# KiCad board panel9.kicad_pcb (continued)
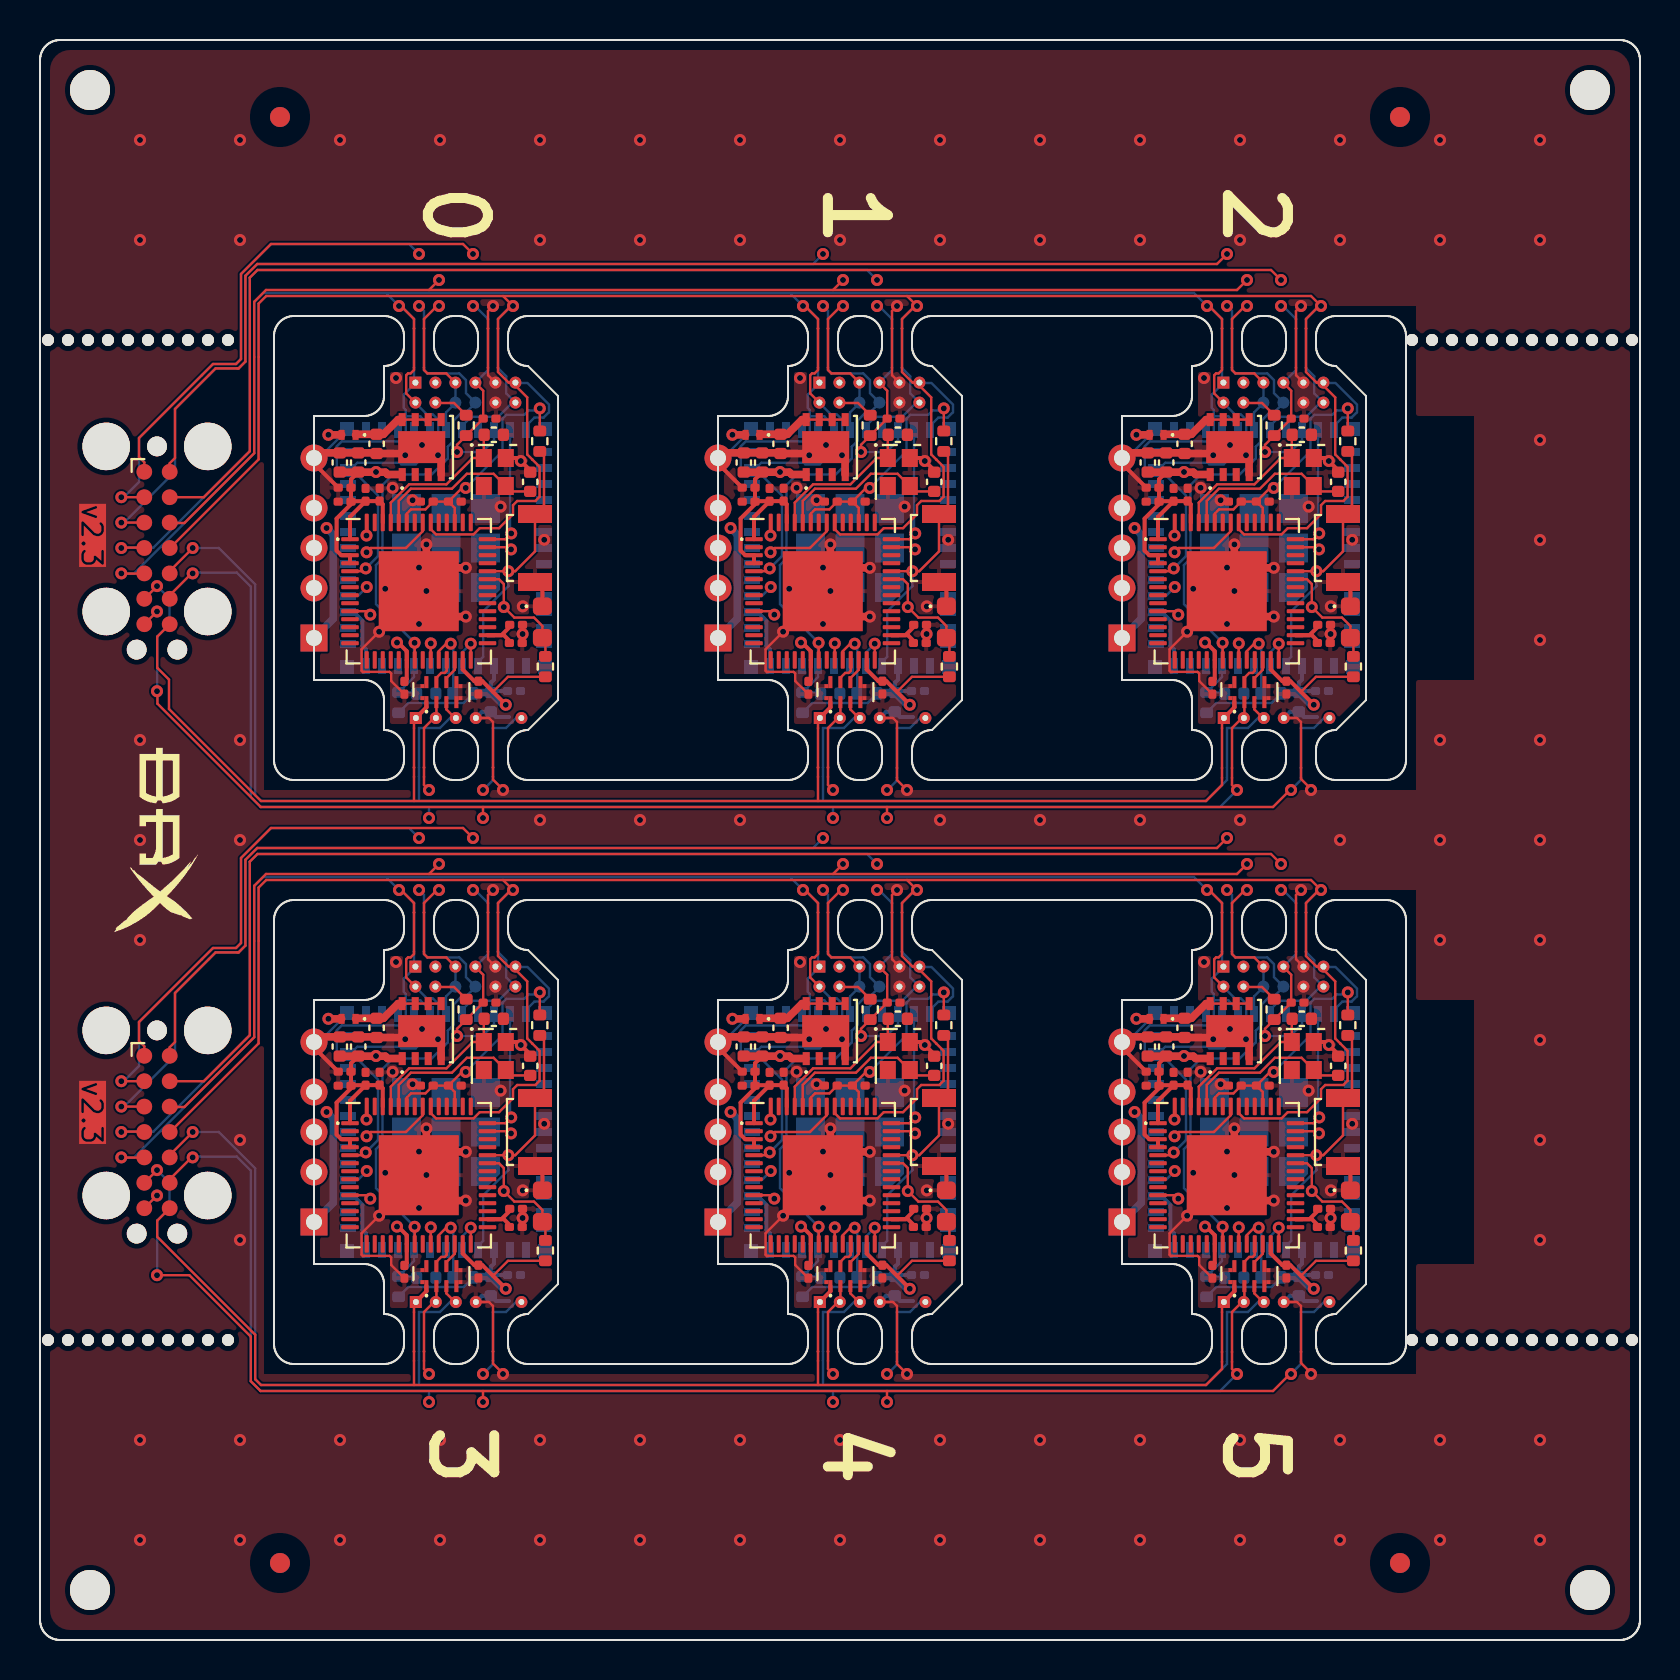
[diagram p0: board, top side]
## Routing (per net, layer and track width the routed paths; a pad name or vN(x,y) marks a point on that pad's centre or on a via; arc(x,y) is an arc through that point) (continued)
Board_1-/PICO_IO0: length 24.1
  Top w0.12: NT2#4.1 38.9,63.5 38.73,63.33 38.6,63.33 38.51,63.24 38.51,62.33 J2#2.2 38.99,61.85 39.02,61.85 39.04,61.83 ; v1(36.71,51.27) 36.54,51.44 U2.10
  In2.Cu w0.12: J2#2.2 38.97,61.85 35.27,58.15 35.27,52.12 36.12,51.27 v1(36.71,51.27)
  Bottom w0.12: J2#2.2 38.97,61.85 39.54,61.28 39.84,61.28 40.11,61.01 40.11,59.91 38.98,58.78 38.27,58.78 38.19,58.86 36.06,58.86 35.8,58.6 U3#6.23
Board_1-/PICO_TXD: length 15.8
  Top w0.12: 44,61.93 43.97,61.9 J2#2.12 ; U2.41 43.64,54.64 v1(43.75,54.53)
  In2.Cu w0.12: J2#2.12 43.97,61.85 45.74,60.08 45.74,56.18 44.83,55.27 44.49,55.27 v1(43.75,54.53)
  Bottom w0.12: NT7#5.1 43.51,63.19 43.51,62.33 J2#2.12 43.95,61.85 43.8,61.85 43.11,61.16 41.76,61.16 41.3,60.7 U3#6.31
Board_1-/RXD: length 21.6
  Top w0.12: v1(36.53,54.39) 36.74,54.6 38.5,54.6 39.34,55.44 U2.49 ; NT3#6.1 39.4,63.5 39.57,63.33 40.51,63.33 J2#2.5
  In2.Cu w0.12: J2#2.5 40.97,60.37 42.17,59.17 42.17,56.53 39.93,54.29 36.62,54.29 v1(36.53,54.39)
  Bottom w0.12: J2#2.5 J2#2.6 40.97,61.85 40.5,61.38 U3#6.30
Board_1-/S2_EN: length 17.1
  Top w0.12: U2.56 36.54,55.24 v1(36.52,55.22) ; v1(41.05,59.4) 41.05,59.76 R4#6.1 C15#4.1 42.36,62.46 41.97,62.85 J2#2.7
  In2.Cu w0.12: v1(36.52,55.22) 39.1,55.22 41.02,57.14 41.68,57.14 41.95,57.41 41.95,58.5 v1(41.05,59.4)
  Bottom w0.12: J2#2.7 42.6,63.5 NT4#5.1 ; U3#6.33 42.9,59.99 42.31,59.4 v1(41.05,59.4)
Board_1-/S2_IO0: length 17.8
  Top w0.12: J2#2.1 38.97,62.8 ; U2.5 36.35,53.44 v1(36.49,53.58)
  Bottom w0.12: 38.49,61.19 39.21,61.19 39.7,60.7 U3#6.29 ; 38.49,61.19 38.49,61.5 38.38,61.61 38.38,62.27 38.97,62.85 J2#2.1 38.9,62.94 NT1.1 ; 38.49,61.19 38.49,60.05 38.37,59.93 35.29,59.93 35.04,59.68 35.04,58.32 35.15,58.21 36.11,58.21 37.1,57.22 37.1,54.19 v1(36.49,53.58)
Board_1-/S2_TXD: length 18.6
  Top w0.12: U2.48 39.74,55.54 40,55.28 41.88,55.28 42.19,55.59 43.15,55.59 43.85,56.29 43.85,56.74 44.06,56.95 44.97,56.95 45.18,57.16 45.18,58.66 44.82,59.02 44.82,59.02 44.56,59.28 44.56,62.13 43.97,62.72 J2#2.11 43.63,62.87 43.1,63.4 NT6#5.1
  Bottom w0.12: J2#2.11 43.99,62.85 44.57,62.85 45.65,61.77 45.65,61.39 45.38,61.12 44.92,61.12 44.5,60.7 U3#6.35
Board_1-/USB_D+: length 1.3
  Top w0.12: U4#3.6 40.52,48.09 40.94,48.51 U2.26
Board_1-/USB_D-: length 1.4
  Top w0.12: U2.25 40.54,48.46 40.43,48.35 40.26,48.35 40.02,48.11 U4#3.7
Board_1-GND: length 42.2
  Top w0.12: J3#2.4 42.65,46.1 42.85,45.9 NT13#2.1 ; J2#2.9 42.6,63.24 NT8#5.1 ; C1#4.2 37.76,47.95 37.76,48.32 37.68,48.41 36.34,48.41 36.28,48.46 36.28,49.54 v1(37.16,50.42)
  Top w0.2: C3#3.2 33.9,58.83 J1#5.5 ; SW1.2 45.32,52.53 D6#2.1 ; Y1#2.4 44.09,59.1 v1(44.24,58.95) 44.71,58.48 C18#5.2
  Top w0.38: 38.95,52.63 U2.57 ; U2.57 40.31,53.61 v1(41.49,53.61) ; U2.57 37.16,50.46 v1(37.16,50.42) ; U2.57 40.41,51.17 v1(41.49,51.17) ; U2.57 39.52,52.82 v1(39.52,54.78) ; 39.28,59.65 38.95,59.33 C16#6.2 37,59.35 C17#5.2 C4#3.2 34.16,59.35 J1#5.5 ; 40.25,58.28 40.25,59.09 v1(40.1,59.24)
  In1.Cu w0.45: v1(38.46,59.24) 38.32,59.1 33.9,59.1 J1#5.5
  Bottom w0.12: U3#6.51 35.55,60.5 34.15,59.1 J1#5.5
  Bottom w0.2: C14#5.2 43,46.15 43.65,46.15 ; 42.69,46.41 42.3,46.41 J3#2.4 ; U3#6.11 36.5,49.53 36.32,49.71 36.32,50.96 35.88,51.4 U3#6.14
  vias: v1(37.46,52.56) v1(37.83,57.61) v1(38,63.1) v1(38.83,56.99) v1(39.15,53.62) v1(39.15,50.8) v1(39.3,59.75) v1(39.52,52.45) v1(43.23,56.67) v1(44.34,51.68) v1(44.33,50.3) v1(45.41,55.01)
Board_1-Net-(U2-GPIO18/ADC2_CH7/DAC_2): length 3.8
  Top w0.12: U2.24 40.14,49.44 40.51,49.82 v1(40.74,49.82)
  Bottom w0.12: 40.79,47.33 40.86,47.4 40.86,49.69 v1(40.74,49.82)
Board_1-Net-(U2-VDD_SPI): length 2.5
  Top w0.2: 43.69,49.95 43.4,50.24 U2.30 43.28,50.24 43.69,50.65
Board_1-Net-(U2-XTAL_N): length 8.6
  Top w0.12: C18#5.1 43.76,57.43 Y1#2.3 42.88,58.31 41.54,58.31 40.8,57.56 38.75,57.56 38.14,56.96 U2.52
Board_1-Net-(U2-XTAL_P): length 7.7
  Top w0.12: C19#3.1 42.39,60.24 Y1#2.1 41.84,59.1 40.53,57.78 38.66,57.78 37.74,56.87 U2.53
Board_1-VBUS: length 4.6
  Top w0.12: U1.8 U1.7 U1.6 U1.5
  Top w0.38: D1#6.1 36.01,60.28 C16#6.1 37.37,60.28 38.1,61.02 U1.8
Board_2-+3V3: length 75.2
  Top w0.12: R1#3.2 65.39,61.48 ; U2#4.45 61.14,56.6 C12#4.1 ; v1(61.69,57.6) 61.5,57.6 C12#4.1 ; C12#4.1 C9#3.1 59.67,56.53 58.95,56.53 58.74,56.31 U2#4.51 ; R4#4.2 61.1,61.85 60.19,61.85 J2#5.4 ; R11#6.2 63.8,48.16 63.05,47.41
  Top w0.2: U2#4.27 61.54,48.52 62.12,47.94 C6#4.1 62.52,47.94 63.69,46.77 v1(63.69,46.76) ; C8#5.1 55.97,56.94 C2#4.1 ; C8#5.1 56.69,56.95 C7#3.1 57.54,56.79 U2#4.54 ; C8#5.1 55.9,56.16 U2#4.1 ; C17#4.1 55.95,58.03 C3#2.1 C2#4.1 ; C2#4.1 55.95,56.79 55.23,56.07 55.23,54.47 55.46,54.24 U2#4.3 U2#4.4 ; C1#3.1 58.74,48.05 U2#4.20 58.74,49.44 58.32,49.86 58.26,49.86 v1(58.25,49.87)
  Top w0.38: 55.72,58.39 57.19,58.39 v1(57.2,58.4) 57.21,58.39 57.67,58.39 57.78,58.27 58.5,58.27
  In2.Cu w0.38: v1(57.2,58.4) 57.2,59.09 58.82,60.71 59.64,60.71 60.17,61.24 J2#5.4 J2#5.3 ; v1(57.2,58.4) 60.89,58.4 v1(61.69,57.6) ; v1(57.2,58.4) 55.89,57.09 55.89,52.5 56.43,51.96 58.25,51.96 ; v1(58.25,49.87) 58.25,51.96 ; 58.25,51.96 59.29,51.96 60.67,50.58 62.05,50.58 63.69,48.94 v1(63.69,46.76)
  Bottom w0.12: R6#5.2 58.82,46.85 61.58,46.85 R10.2 ; v1(61.69,57.6) 63.52,59.44 63.52,61.06 63.72,61.26 64.61,61.26 64.83,61.48 65.39,61.48
  Bottom w0.2: 63.73,47.45 63.02,47.45 C14#6.1 62.94,47.86 63.1,48.02 U3#2.3
  Bottom w0.38: v1(63.69,46.76) 63.55,46.76 C14#6.1 62.05,47.37 62.01,47.33
  vias: v1(65.39,61.58)
Board_2-/BTN: length 24.2
  Top w0.12: R1#3.1 65.6,59.22 65.6,56.75 SW1#4.1 65.15,54.43 64.16,53.44 v1(63.82,53.44) U2#4.38
  In2.Cu w0.12: J4#6.1 65.94,47.57 65.94,51.79 64.29,53.44 v1(63.82,53.44)
  Bottom w0.12: NT12#5.1 63.7,45.6 64.2,46.1 J4#6.1 ; U3#2.4 62.3,48.9 62.56,49.16 62.56,51.43 63.82,52.69 v1(63.82,53.44)
Board_2-/D+_TP: length 14.6
  Top w0.12: 61.15,46.1 60.72,46.53 U4#2.3
  In2.Cu w0.12: J3#6.3 60.5,46.8 60.32,46.8 54.94,52.19 54.94,53.77 J1.3
  Bottom w0.12: J3#6.3 60.9,46.1 60.4,45.6 NT11.1
Board_2-/D-_TP: length 10.7
  Top w0.12: NT10#6.1 60.1,46.1 J3#6.2 60.22,46.13 U4#2.2
  In2.Cu w0.12: J3#6.2 60.19,46.62 54.21,52.6 J1.2
Board_2-/HCI_CTS: length 2.1
  Top w0.12: v1(61.94,49.81) U2#4.28
  Bottom w0.12: v1(61.94,49.81) 61.5,49.38 U3#2.5
Board_2-/HCI_RXD: length 2
  Top w0.12: v1(59.94,49.83) 59.94,49.83 U2#4.23
  Bottom w0.12: U3#2.7 59.94,48.74 v1(59.94,49.83)
Board_2-/HCI_TXD: length 6.5
  Top w0.12: U2#4.42 63.67,55.04 v1(63.96,55.33)
  Bottom w0.12: U3#2.34 63.9,55.39 v1(63.96,55.33)
Board_2-/LED: length 14.7
  Top w0.12: R11#6.1 65.67,49.96 D6.2 65.52,50.7 65.1,51.12 64.12,51.12 63.59,51.65 v1(63.59,51.65) 63.59,52.8 63.35,53.04 U2#4.37
  In2.Cu w0.12: v1(56.74,52.65) 57.11,53.02 62.22,53.02 v1(63.59,51.65)
  Bottom w0.12: v1(56.74,52.65) 56.29,52.2 U3#2.15
Board_2-/PICO_EN: length 24.5
  Top w0.12: U2#4.21 59.14,49.63 59.13,49.64 v1(59.13,49.86)
  Bottom w0.12: NT5#5.1 59.6,63.5 59.77,63.33 61.36,63.33 61.7,62.99 61.7,62.34 J2#5.8 62.17,61.85 61.6,61.28 61.39,61.28 61.09,60.98 61.09,59.97 60.79,59.67 60.79,59.08 59.99,58.28 58.05,58.28 57.52,57.75 57.52,54.07 57.2,53.74 57.2,51.79 v1(59.13,49.86) 59.1,49.83 U3#2.8 59.1,48.15 R6#5.1 59.17,47.38 C5#5.1
Board_2-/PICO_IO0: length 24.1
  Top w0.12: U2#4.10 56.74,51.44 v1(56.91,51.27) ; NT2#6.1 59.1,63.5 58.93,63.33 58.8,63.33 58.71,63.24 58.71,62.33 J2#5.2 59.19,61.85 59.22,61.85 59.24,61.83
  In2.Cu w0.12: J2#5.2 59.17,61.85 55.47,58.15 55.47,52.12 56.32,51.27 v1(56.91,51.27)
  Bottom w0.12: U3#2.23 56,58.6 56.26,58.86 58.39,58.86 58.47,58.78 59.18,58.78 60.31,59.91 60.31,61.01 60.04,61.28 59.74,61.28 59.17,61.85 J2#5.2
Board_2-/PICO_TXD: length 15.8
  Top w0.12: v1(63.95,54.53) 63.84,54.64 U2#4.41 ; 64.2,61.93 64.17,61.9 J2#5.12
  In2.Cu w0.12: v1(63.95,54.53) 64.69,55.27 65.03,55.27 65.94,56.18 65.94,60.08 64.17,61.85 J2#5.12
  Bottom w0.12: U3#2.31 61.5,60.7 61.96,61.16 63.31,61.16 64,61.85 64.15,61.85 J2#5.12 63.71,62.33 63.71,63.19 NT7#6.1
Board_2-/RXD: length 21.6
  Top w0.12: NT3#3.1 59.6,63.5 59.77,63.33 60.71,63.33 J2#5.5 ; v1(56.73,54.39) 56.94,54.6 58.7,54.6 59.54,55.44 U2#4.49
  In2.Cu w0.12: J2#5.5 61.17,60.37 62.37,59.17 62.37,56.53 60.13,54.29 56.82,54.29 v1(56.73,54.39)
  Bottom w0.12: U3#2.30 60.7,61.38 61.17,61.85 J2#5.6 J2#5.5
Board_2-/S2_EN: length 17.1
  Top w0.12: J2#5.7 62.17,62.85 62.56,62.46 C15.1 R4#4.1 61.25,59.76 v1(61.25,59.4) ; U2#4.56 56.74,55.24 v1(56.72,55.22)
  In2.Cu w0.12: v1(61.25,59.4) 62.15,58.5 62.15,57.41 61.88,57.14 61.22,57.14 59.3,55.22 v1(56.72,55.22)
  Bottom w0.12: NT4#4.1 62.8,63.5 J2#5.7 ; v1(61.25,59.4) 62.51,59.4 63.1,59.99 U3#2.33
Board_2-/S2_IO0: length 17.8
  Top w0.12: U2#4.5 56.55,53.44 v1(56.69,53.58) ; J2#5.1 59.17,62.8
  Bottom w0.12: 58.69,61.19 59.41,61.19 59.9,60.7 U3#2.29 ; 58.69,61.19 58.69,61.5 58.59,61.61 58.59,62.27 59.17,62.85 J2#5.1 59.1,62.94 NT1#3.1 ; 58.69,61.19 58.69,60.05 58.57,59.93 55.49,59.93 55.24,59.68 55.24,58.32 55.35,58.21 56.31,58.21 57.3,57.22 57.3,54.19 v1(56.69,53.58)
Board_2-/S2_TXD: length 18.6
  Top w0.12: U2#4.48 59.94,55.54 60.2,55.28 62.08,55.28 62.39,55.59 63.35,55.59 64.05,56.29 64.05,56.74 64.26,56.95 65.17,56.95 65.38,57.16 65.38,58.66 65.02,59.02 65.02,59.02 64.76,59.28 64.76,62.13 64.17,62.72 J2#5.11 63.83,62.87 63.3,63.4 NT6#3.1
  Bottom w0.12: U3#2.35 64.7,60.7 65.12,61.12 65.58,61.12 65.85,61.39 65.85,61.77 64.77,62.85 64.19,62.85 J2#5.11
Board_2-/USB_D+: length 1.3
  Top w0.12: U2#4.26 61.14,48.51 60.72,48.09 U4#2.6
Board_2-/USB_D-: length 1.4
  Top w0.12: U2#4.25 60.74,48.46 60.63,48.35 60.46,48.35 60.22,48.11 U4#2.7
Board_2-GND: length 42.2
  Top w0.12: NT13#6.1 63.05,45.9 62.85,46.1 J3#6.4 ; J2#5.9 62.8,63.24 NT8#4.1 ; C1#3.2 57.96,47.95 57.96,48.32 57.88,48.41 56.53,48.41 56.48,48.46 56.48,49.54 v1(57.36,50.42)
  Top w0.2: C18#6.2 64.91,58.48 v1(64.44,58.95) 64.29,59.1 Y1#3.4 ; SW1#4.2 65.52,52.53 D6.1 ; J1.5 54.1,58.83 C3#2.2
  Top w0.38: v1(61.69,53.61) 60.51,53.61 U2#4.57 ; v1(59.72,54.78) 59.72,52.82 U2#4.57 ; U2#4.57 60.61,51.17 v1(61.69,51.17) ; U2#4.57 57.36,50.46 v1(57.36,50.42) ; U2#4.57 59.15,52.63 ; J1.5 54.35,59.35 C4#4.2 C17#4.2 57.2,59.35 C16#4.2 59.15,59.33 59.48,59.65 ; v1(60.3,59.24) 60.46,59.09 60.46,58.28
  In1.Cu w0.45: J1.5 54.1,59.1 58.52,59.1 v1(58.66,59.24)
  Bottom w0.12: J1.5 54.35,59.1 55.75,60.5 U3#2.51
  Bottom w0.2: 63.85,46.15 63.2,46.15 C14#6.2 ; U3#2.11 56.7,49.53 56.52,49.71 56.52,50.96 56.08,51.4 U3#2.14 ; 62.89,46.41 62.5,46.41 J3#6.4
  vias: v1(57.66,52.56) v1(58.03,57.61) v1(58.2,63.1) v1(59.03,56.99) v1(59.35,53.62) v1(59.35,50.8) v1(59.5,59.75) v1(59.72,52.45) v1(63.43,56.67) v1(64.54,51.68) v1(64.53,50.3) v1(65.61,55.01)
Board_2-Net-(U2-GPIO18/ADC2_CH7/DAC_2): length 3.8
  Top w0.12: U2#4.24 60.34,49.44 60.71,49.82 v1(60.94,49.82)
  Bottom w0.12: v1(60.94,49.82) 61.06,49.69 61.06,47.4 60.99,47.33
Board_2-Net-(U2-VDD_SPI): length 2.5
  Top w0.2: 63.88,49.95 63.59,50.24 U2#4.30 63.47,50.24 63.88,50.65
Board_2-Net-(U2-XTAL_N): length 8.6
  Top w0.12: U2#4.52 58.34,56.96 58.95,57.56 61,57.56 61.74,58.31 63.08,58.31 Y1#3.3 63.96,57.43 C18#6.1
Board_2-Net-(U2-XTAL_P): length 7.7
  Top w0.12: U2#4.53 57.94,56.87 58.85,57.78 60.72,57.78 62.04,59.1 Y1#3.1 62.59,60.24 C19#5.1
Board_2-VBUS: length 4.6
  Top w0.12: U1#4.8 U1#4.7 U1#4.6 U1#4.5
  Top w0.38: D1#5.1 56.21,60.28 C16#4.1 57.57,60.28 58.31,61.02 U1#4.8
Board_3-+3V3: length 75.2
  Top w0.12: U2#5.51 18.34,27.11 18.55,27.33 19.27,27.33 C9#5.1 C12#2.1 ; R11#2.2 23.4,18.96 22.65,18.21 ; R4.2 20.7,32.65 19.79,32.65 J2#4.4 ; C12#2.1 20.74,27.4 U2#5.45 ; C12#2.1 21.1,28.4 v1(21.29,28.4) ; R1#2.2 24.99,32.28
  Top w0.2: v1(17.85,20.67) 17.86,20.66 17.92,20.66 18.34,20.24 U2#5.20 18.34,18.85 C1#5.1 ; U2#5.4 U2#5.3 15.06,25.04 14.83,25.27 14.83,26.87 15.55,27.59 C2#5.1 ; C2#5.1 C3#5.1 15.55,28.83 C17#3.1 ; C2#5.1 15.58,27.74 C8#3.1 ; v1(23.29,17.56) 23.29,17.57 22.12,18.74 C6#6.1 21.72,18.74 21.14,19.32 U2#5.27 ; C8#3.1 16.28,27.75 C7#4.1 17.14,27.59 U2#5.54 ; C8#3.1 15.5,26.96 U2#5.1
  Top w0.38: 15.32,29.19 16.79,29.19 v1(16.8,29.2) 16.81,29.19 17.27,29.19 17.38,29.08 18.09,29.08
  In2.Cu w0.38: v1(21.29,28.4) 20.49,29.2 v1(16.8,29.2) ; v1(16.8,29.2) 15.49,27.89 15.49,23.3 16.03,22.76 17.85,22.76 ; v1(16.8,29.2) 16.8,29.89 18.42,31.51 19.24,31.51 19.77,32.04 J2#4.4 J2#4.3 ; 17.85,22.76 18.89,22.76 20.27,21.38 21.65,21.38 23.29,19.74 v1(23.29,17.56) ; 17.85,22.76 v1(17.85,20.67)
  Bottom w0.12: R10#2.2 21.18,17.65 18.42,17.65 R6#3.2 ; v1(21.29,28.4) 23.12,30.24 23.12,31.86 23.32,32.06 24.21,32.06 24.43,32.28 24.99,32.28
  Bottom w0.2: 23.33,18.25 22.62,18.25 C14#2.1 22.54,18.66 22.7,18.82 U3#5.3
  Bottom w0.38: 21.61,18.13 21.65,18.17 C14#2.1 23.15,17.56 v1(23.29,17.56)
  vias: v1(24.99,32.38)
Board_3-/BTN: length 24.2
  Top w0.12: R1#2.1 25.2,30.02 25.2,27.55 SW1#6.1 24.75,25.23 23.76,24.24 v1(23.42,24.24) U2#5.38
  In2.Cu w0.12: v1(23.42,24.24) 23.89,24.24 25.54,22.59 25.54,18.37 J4#4.1
  Bottom w0.12: J4#4.1 23.8,16.9 23.3,16.4 NT12#3.1 ; v1(23.42,24.24) 23.42,23.49 22.16,22.23 22.16,19.96 21.9,19.7 U3#5.4
Board_3-/D+_TP: length 14.6
  Top w0.12: U4#4.3 20.32,17.33 20.75,16.9
  In2.Cu w0.12: J3#5.3 20.09,17.59 19.93,17.59 14.53,22.98 14.53,24.56 J1#6.3
  Bottom w0.12: NT11#6.1 20,16.4 20.5,16.9 J3#5.3
Board_3-/D-_TP: length 10.7
  Top w0.12: U4#4.2 19.82,16.93 J3#5.2 19.7,16.9 NT10.1
  In2.Cu w0.12: J1#6.2 13.81,23.4 19.79,17.42 J3#5.2
Board_3-/HCI_CTS: length 2.1
  Top w0.12: v1(21.54,20.61) U2#5.28
  Bottom w0.12: U3#5.5 21.1,20.18 v1(21.54,20.61)
Board_3-/HCI_RXD: length 2
  Top w0.12: v1(19.54,20.63) 19.54,20.63 U2#5.23
  Bottom w0.12: v1(19.54,20.63) 19.54,19.54 U3#5.7
Board_3-/HCI_TXD: length 6.5
  Top w0.12: v1(23.56,26.13) 23.27,25.84 U2#5.42
  Bottom w0.12: U3#5.34 23.5,26.19 v1(23.56,26.13)
Board_3-/LED: length 14.7
  Top w0.12: U2#5.37 22.95,23.84 23.19,23.6 v1(23.19,22.45) 23.19,22.45 23.72,21.92 24.7,21.92 25.12,21.5 D6#3.2 25.27,20.76 R11#2.1
  In2.Cu w0.12: v1(23.19,22.45) 21.82,23.82 16.71,23.82 v1(16.34,23.45)
  Bottom w0.12: U3#5.15 15.89,23 v1(16.34,23.45)
Board_3-/PICO_EN: length 24.5
  Top w0.12: v1(18.73,20.66) 18.73,20.44 18.74,20.43 U2#5.21
  Bottom w0.12: NT5#4.1 19.2,34.3 19.37,34.13 20.96,34.13 21.3,33.79 21.3,33.14 J2#4.8 21.77,32.65 21.2,32.08 20.99,32.08 20.69,31.78 20.69,30.77 20.39,30.47 20.39,29.88 19.59,29.08 17.65,29.08 17.12,28.55 17.12,24.87 16.8,24.54 16.8,22.59 v1(18.73,20.66) 18.7,20.63 U3#5.8 18.7,18.95 R6#3.1 18.77,18.18 C5#6.1
Board_3-/PICO_IO0: length 24.1
  Top w0.12: 18.84,32.63 18.82,32.65 18.79,32.65 J2#4.2 18.31,33.13 18.31,34.04 18.4,34.13 18.53,34.13 18.7,34.3 NT2#3.1 ; v1(16.51,22.07) 16.34,22.24 U2#5.10
  In2.Cu w0.12: J2#4.2 18.77,32.65 15.07,28.95 15.07,22.92 15.92,22.07 v1(16.51,22.07)
  Bottom w0.12: J2#4.2 18.77,32.65 19.34,32.08 19.64,32.08 19.91,31.81 19.91,30.71 18.78,29.58 18.07,29.58 17.99,29.66 15.86,29.66 15.6,29.4 U3#5.23
Board_3-/PICO_TXD: length 15.8
  Top w0.12: U2#5.41 23.44,25.44 v1(23.55,25.33) ; J2#4.12 23.77,32.7 23.8,32.73
  In2.Cu w0.12: J2#4.12 23.77,32.65 25.54,30.88 25.54,26.98 24.63,26.07 24.29,26.07 v1(23.55,25.33)
  Bottom w0.12: NT7#3.1 23.31,33.99 23.31,33.13 J2#4.12 23.75,32.65 23.6,32.65 22.91,31.96 21.56,31.96 21.1,31.5 U3#5.31
Board_3-/RXD: length 21.6
  Top w0.12: NT3#5.1 19.2,34.3 19.37,34.13 20.31,34.13 J2#4.5 ; v1(16.33,25.19) 16.54,25.4 18.3,25.4 19.14,26.24 U2#5.49
  In2.Cu w0.12: v1(16.33,25.19) 16.42,25.09 19.73,25.09 21.97,27.33 21.97,29.97 20.77,31.17 J2#4.5
  Bottom w0.12: J2#4.5 J2#4.6 20.77,32.65 20.3,32.18 U3#5.30
Board_3-/S2_EN: length 17.1
  Top w0.12: U2#5.56 16.34,26.04 v1(16.32,26.02) ; J2#4.7 21.77,33.65 22.16,33.26 C15#3.1 R4.1 20.85,30.56 v1(20.85,30.2)
  In2.Cu w0.12: v1(16.32,26.02) 18.9,26.02 20.82,27.94 21.48,27.94 21.75,28.21 21.75,29.3 v1(20.85,30.2)
  Bottom w0.12: NT4#6.1 22.4,34.3 J2#4.7 ; U3#5.33 22.7,30.79 22.11,30.2 v1(20.85,30.2)
Board_3-/S2_IO0: length 17.8
  Top w0.12: U2#5.5 16.15,24.24 v1(16.29,24.38) ; J2#4.1 18.77,33.6
  Bottom w0.12: 18.29,31.99 18.29,32.3 18.19,32.41 18.19,33.06 18.77,33.65 J2#4.1 18.7,33.74 NT1#5.1 ; 18.29,31.99 18.29,30.85 18.17,30.73 15.09,30.73 14.84,30.48 14.84,29.12 14.95,29.01 15.91,29.01 16.9,28.02 16.9,24.99 v1(16.29,24.38) ; 18.29,31.99 19.01,31.99 19.5,31.5 U3#5.29
Board_3-/S2_TXD: length 18.6
  Top w0.12: NT6#6.1 22.9,34.2 23.43,33.67 J2#4.11 23.77,33.52 24.36,32.93 24.36,30.08 24.62,29.82 24.62,29.82 24.98,29.46 24.98,27.96 24.77,27.75 23.86,27.75 23.65,27.54 23.65,27.09 22.95,26.39 21.99,26.39 21.68,26.08 19.8,26.08 19.54,26.34 U2#5.48
  Bottom w0.12: U3#5.35 24.3,31.5 24.72,31.92 25.18,31.92 25.45,32.19 25.45,32.57 24.37,33.65 23.79,33.65 J2#4.11
Board_3-/USB_D+: length 1.3
  Top w0.12: U4#4.6 20.32,18.89 20.74,19.31 U2#5.26
Board_3-/USB_D-: length 1.4
  Top w0.12: U2#5.25 20.34,19.26 20.23,19.15 20.06,19.15 19.82,18.91 U4#4.7
Board_3-GND: length 42.2
  Top w0.12: J2#4.9 22.4,34.04 NT8#3.1 ; C1#5.2 17.56,18.75 17.56,19.12 17.48,19.2 16.14,19.2 16.08,19.26 16.08,20.34 v1(16.96,21.22) ; J3#5.4 22.45,16.9 22.65,16.7 NT13#4.1
  Top w0.2: C3#5.2 13.7,29.62 J1#6.5 ; Y1#4.4 23.89,29.9 v1(24.04,29.75) 24.51,29.28 C18#4.2 ; SW1#6.2 25.12,23.33 D6#3.1
  Top w0.38: U2#5.57 20.21,21.97 v1(21.29,21.97) ; U2#5.57 20.11,24.41 v1(21.29,24.41) ; U2#5.57 16.96,21.26 v1(16.96,21.22) ; U2#5.57 19.32,23.62 v1(19.32,25.58) ; U2#5.57 18.75,23.43 ; 20.06,29.08 20.06,29.89 v1(19.9,30.04) ; J1#6.5 13.95,30.16 C4#2.2 C17#3.2 16.8,30.16 C16#3.2 18.75,30.12 19.08,30.45
  In1.Cu w0.45: v1(18.26,30.04) 18.12,29.9 13.7,29.9 J1#6.5
  Bottom w0.12: U3#5.51 15.35,31.3 13.95,29.9 J1#6.5
  Bottom w0.2: C14#2.2 22.8,16.95 23.45,16.95 ; U3#5.14 15.68,22.2 16.12,21.76 16.12,20.51 16.3,20.33 U3#5.11 ; J3#5.4 22.1,17.21 22.49,17.21
  vias: v1(17.26,23.36) v1(17.63,28.41) v1(17.8,33.9) v1(18.63,27.79) v1(18.95,24.42) v1(18.95,21.6) v1(19.1,30.55) v1(19.32,23.25) v1(23.03,27.47) v1(24.14,22.48) v1(24.13,21.1) v1(25.21,25.81)
Board_3-Net-(U2-GPIO18/ADC2_CH7/DAC_2): length 3.8
  Top w0.12: v1(20.54,20.62) 20.31,20.62 19.94,20.24 U2#5.24
  Bottom w0.12: 20.59,18.13 20.66,18.2 20.66,20.49 v1(20.54,20.62)
Board_3-Net-(U2-VDD_SPI): length 2.5
  Top w0.2: 23.49,20.75 23.19,21.04 U2#5.30 23.07,21.04 23.49,21.45
Board_3-Net-(U2-XTAL_N): length 8.6
  Top w0.12: U2#5.52 17.94,27.76 18.55,28.36 20.6,28.36 21.34,29.11 22.68,29.11 Y1#4.3 23.56,28.23 C18#4.1
Board_3-Net-(U2-XTAL_P): length 7.7
  Top w0.12: U2#5.53 17.54,27.67 18.45,28.58 20.32,28.58 21.64,29.9 Y1#4.1 22.19,31.04 C19#4.1
Board_3-VBUS: length 4.6
  Top w0.12: U1#2.5 U1#2.6 U1#2.7 U1#2.8
  Top w0.38: U1#2.8 17.91,31.82 17.17,31.08 15.81,31.08 D1#4.1
Board_4-+3V3: length 75.2
  Top w0.12: J2#3.4 39.99,32.65 40.9,32.65 R4#2.2 ; C12#5.1 41.3,28.4 v1(41.49,28.4) ; C12#5.1 C9#6.1 39.47,27.33 38.75,27.33 38.54,27.11 U2#3.51 ; C12#5.1 40.94,27.4 U2#3.45 ; R1.2 45.19,32.28 ; R11#3.2 43.6,18.96 42.85,18.21
  Top w0.2: C8.1 36.49,27.75 C7#5.1 37.34,27.59 U2#3.54 ; C8.1 35.78,27.74 C2#6.1 ; C8.1 35.7,26.96 U2#3.1 ; C17#2.1 35.75,28.83 C3#6.1 C2#6.1 ; C2#6.1 35.75,27.59 35.03,26.87 35.03,25.27 35.26,25.04 U2#3.3 U2#3.4 ; U2#3.27 41.34,19.32 41.92,18.74 C6#2.1 42.32,18.74 43.49,17.57 v1(43.49,17.56) ; v1(38.05,20.67) 38.06,20.66 38.12,20.66 38.54,20.24 U2#3.20 38.54,18.85 C1#2.1
  Top w0.38: 38.29,29.08 37.58,29.08 37.47,29.19 37.01,29.19 v1(37,29.2) 36.99,29.19 35.52,29.19
  In2.Cu w0.38: J2#3.3 J2#3.4 39.97,32.04 39.44,31.51 38.62,31.51 37,29.89 v1(37,29.2) ; v1(41.49,28.4) 40.69,29.2 v1(37,29.2) ; 38.05,22.76 36.23,22.76 35.69,23.3 35.69,27.89 v1(37,29.2) ; 38.05,22.76 v1(38.05,20.67) ; 38.05,22.76 39.09,22.76 40.47,21.38 41.85,21.38 43.49,19.74 v1(43.49,17.56)
  Bottom w0.12: R10#3.2 41.38,17.65 38.62,17.65 R6.2 ; v1(41.49,28.4) 43.32,30.24 43.32,31.86 43.52,32.06 44.41,32.06 44.63,32.28 45.19,32.28
  Bottom w0.2: 43.53,18.25 42.82,18.25 C14#3.1 42.74,18.66 42.9,18.82 U3#3.3
  Bottom w0.38: v1(43.49,17.56) 43.35,17.56 C14#3.1 41.85,18.17 41.81,18.13
  vias: v1(45.19,32.38)
Board_4-/BTN: length 24.2
  Top w0.12: R1.1 45.4,30.02 45.4,27.55 SW1#3.1 44.95,25.23 43.96,24.24 v1(43.62,24.24) U2#3.38
  In2.Cu w0.12: J4#3.1 45.74,18.37 45.74,22.59 44.09,24.24 v1(43.62,24.24)
  Bottom w0.12: U3#3.4 42.1,19.7 42.36,19.96 42.36,22.23 43.62,23.49 v1(43.62,24.24) ; J4#3.1 44,16.9 43.5,16.4 NT12#6.1
Board_4-/D+_TP: length 14.6
  Top w0.12: 40.95,16.9 40.52,17.33 U4#5.3
  In2.Cu w0.12: J3#3.3 40.29,17.59 40.12,17.59 34.74,22.98 34.74,24.56 J1#3.3
  Bottom w0.12: NT11#4.1 40.2,16.4 40.7,16.9 J3#3.3
Board_4-/D-_TP: length 10.7
  Top w0.12: U4#5.2 40.02,16.93 J3#3.2 39.9,16.9 NT10#2.1
  In2.Cu w0.12: J1#3.2 34.01,23.4 39.99,17.42 J3#3.2
Board_4-/HCI_CTS: length 2.1
  Top w0.12: v1(41.74,20.61) U2#3.28
  Bottom w0.12: v1(41.74,20.61) 41.3,20.18 U3#3.5
Board_4-/HCI_RXD: length 2
  Top w0.12: U2#3.23 39.74,20.63 v1(39.74,20.63)
  Bottom w0.12: U3#3.7 39.74,19.54 v1(39.74,20.63)
Board_4-/HCI_TXD: length 6.5
  Top w0.12: U2#3.42 43.47,25.84 v1(43.76,26.13)
  Bottom w0.12: U3#3.34 43.7,26.19 v1(43.76,26.13)
Board_4-/LED: length 14.7
  Top w0.12: U2#3.37 43.15,23.84 43.39,23.6 v1(43.39,22.45) 43.39,22.45 43.92,21.92 44.9,21.92 45.32,21.5 D6#6.2 45.47,20.76 R11#3.1
  In2.Cu w0.12: v1(36.54,23.45) 36.91,23.82 42.02,23.82 v1(43.39,22.45)
  Bottom w0.12: v1(36.54,23.45) 36.09,23 U3#3.15
Board_4-/PICO_EN: length 24.5
  Top w0.12: v1(38.93,20.66) 38.93,20.44 38.94,20.43 U2#3.21
  Bottom w0.12: C5#2.1 38.97,18.18 R6.1 38.9,18.95 U3#3.8 38.9,20.63 v1(38.93,20.66) 37,22.59 37,24.54 37.32,24.87 37.32,28.55 37.85,29.08 39.79,29.08 40.59,29.88 40.59,30.47 40.89,30.77 40.89,31.78 41.19,32.08 41.4,32.08 41.97,32.65 J2#3.8 41.5,33.14 41.5,33.79 41.16,34.13 39.57,34.13 39.4,34.3 NT5#2.1
Board_4-/PICO_IO0: length 24.1
  Top w0.12: U2#3.10 36.54,22.24 v1(36.71,22.07) ; 39.04,32.63 39.02,32.65 38.99,32.65 J2#3.2 38.51,33.13 38.51,34.04 38.6,34.13 38.73,34.13 38.9,34.3 NT2.1
  In2.Cu w0.12: J2#3.2 38.97,32.65 35.27,28.95 35.27,22.92 36.12,22.07 v1(36.71,22.07)
  Bottom w0.12: J2#3.2 38.97,32.65 39.54,32.08 39.84,32.08 40.11,31.81 40.11,30.71 38.98,29.58 38.27,29.58 38.19,29.66 36.06,29.66 35.8,29.4 U3#3.23
Board_4-/PICO_TXD: length 15.8
  Top w0.12: 44,32.73 43.97,32.7 J2#3.12 ; U2#3.41 43.64,25.44 v1(43.75,25.33)
  In2.Cu w0.12: J2#3.12 43.97,32.65 45.74,30.88 45.74,26.98 44.83,26.07 44.49,26.07 v1(43.75,25.33)
  Bottom w0.12: NT7.1 43.51,33.99 43.51,33.13 J2#3.12 43.95,32.65 43.8,32.65 43.11,31.96 41.76,31.96 41.3,31.5 U3#3.31
Board_4-/RXD: length 21.6
  Top w0.12: J2#3.5 40.51,34.13 39.57,34.13 39.4,34.3 NT3.1 ; v1(36.53,25.19) 36.74,25.4 38.5,25.4 39.34,26.24 U2#3.49
  In2.Cu w0.12: J2#3.5 40.97,31.17 42.17,29.97 42.17,27.33 39.93,25.09 36.62,25.09 v1(36.53,25.19)
  Bottom w0.12: J2#3.5 J2#3.6 40.97,32.65 40.5,32.18 U3#3.30
Board_4-/S2_EN: length 17.1
  Top w0.12: v1(41.05,30.2) 41.05,30.56 R4#2.1 C15#2.1 42.36,33.26 41.97,33.65 J2#3.7 ; U2#3.56 36.54,26.04 v1(36.52,26.02)
  In2.Cu w0.12: v1(36.52,26.02) 39.1,26.02 41.02,27.94 41.68,27.94 41.95,28.21 41.95,29.3 v1(41.05,30.2)
  Bottom w0.12: NT4#3.1 42.6,34.3 J2#3.7 ; v1(41.05,30.2) 42.31,30.2 42.9,30.79 U3#3.33
Board_4-/S2_IO0: length 17.8
  Top w0.12: J2#3.1 38.97,33.6 ; U2#3.5 36.35,24.24 v1(36.49,24.38)
  Bottom w0.12: NT1#4.1 38.9,33.74 J2#3.1 38.97,33.65 38.38,33.06 38.38,32.41 38.49,32.3 38.49,31.99 ; 38.49,31.99 39.21,31.99 39.7,31.5 U3#3.29 ; 38.49,31.99 38.49,30.85 38.37,30.73 35.29,30.73 35.04,30.48 35.04,29.12 35.15,29.01 36.11,29.01 37.1,28.02 37.1,24.99 v1(36.49,24.38)
Board_4-/S2_TXD: length 18.6
  Top w0.12: NT6.1 43.1,34.2 43.63,33.67 J2#3.11 43.97,33.52 44.56,32.93 44.56,30.08 44.82,29.82 44.82,29.82 45.18,29.46 45.18,27.96 44.97,27.75 44.06,27.75 43.85,27.54 43.85,27.09 43.15,26.39 42.19,26.39 41.88,26.08 40,26.08 39.74,26.34 U2#3.48
  Bottom w0.12: J2#3.11 43.99,33.65 44.57,33.65 45.65,32.57 45.65,32.19 45.38,31.92 44.92,31.92 44.5,31.5 U3#3.35
Board_4-/USB_D+: length 1.3
  Top w0.12: U2#3.26 40.94,19.31 40.52,18.89 U4#5.6
Board_4-/USB_D-: length 1.4
  Top w0.12: U4#5.7 40.02,18.91 40.26,19.15 40.43,19.15 40.54,19.26 U2#3.25
Board_4-GND: length 42.2
  Top w0.12: NT8#6.1 42.6,34.04 J2#3.9 ; C1#2.2 37.76,18.75 37.76,19.12 37.68,19.2 36.34,19.2 36.28,19.26 36.28,20.34 v1(37.16,21.22) ; J3#3.4 42.65,16.9 42.85,16.7 NT13#3.1
  Top w0.2: J1#3.5 33.9,29.62 C3#6.2 ; SW1#3.2 45.32,23.33 D6#6.1 ; Y1.4 44.09,29.9 v1(44.24,29.75) 44.71,29.28 C18#2.2
  Top w0.38: U2#3.57 37.16,21.26 v1(37.16,21.22) ; U2#3.57 40.41,21.97 v1(41.49,21.97) ; U2#3.57 38.95,23.43 ; U2#3.57 39.52,23.62 v1(39.52,25.58) ; U2#3.57 40.31,24.41 v1(41.49,24.41) ; J1#3.5 34.16,30.16 C4#5.2 C17#2.2 37,30.16 C16#2.2 38.95,30.12 39.28,30.45 ; v1(40.1,30.04) 40.25,29.89 40.25,29.08
  In1.Cu w0.45: J1#3.5 33.9,29.9 38.32,29.9 v1(38.46,30.04)
  Bottom w0.12: J1#3.5 34.15,29.9 35.55,31.3 U3#3.51
  Bottom w0.2: 43.65,16.95 43,16.95 C14#3.2 ; 42.69,17.21 42.3,17.21 J3#3.4 ; U3#3.14 35.88,22.2 36.32,21.76 36.32,20.51 36.5,20.33 U3#3.11
  vias: v1(37.46,23.36) v1(37.83,28.41) v1(38,33.9) v1(38.83,27.79) v1(39.15,24.42) v1(39.15,21.6) v1(39.3,30.55) v1(39.52,23.25) v1(43.23,27.47) v1(44.34,22.48) v1(44.33,21.1) v1(45.41,25.81)
